# Altium PCB CRIB.PcbDoc (part 2 of 3)
Units mm, origin at the board's own origin, x right, y up, seen from the top; angles counter-clockwise.
Board outline 75 x 90 mm, 4 copper layers (L1 - Primary, L2 - GND, L3 - GND, L4 - Secondary), stack 1.57 mm thick; 249 components, 139 nets, 718 pads, 392 vias.
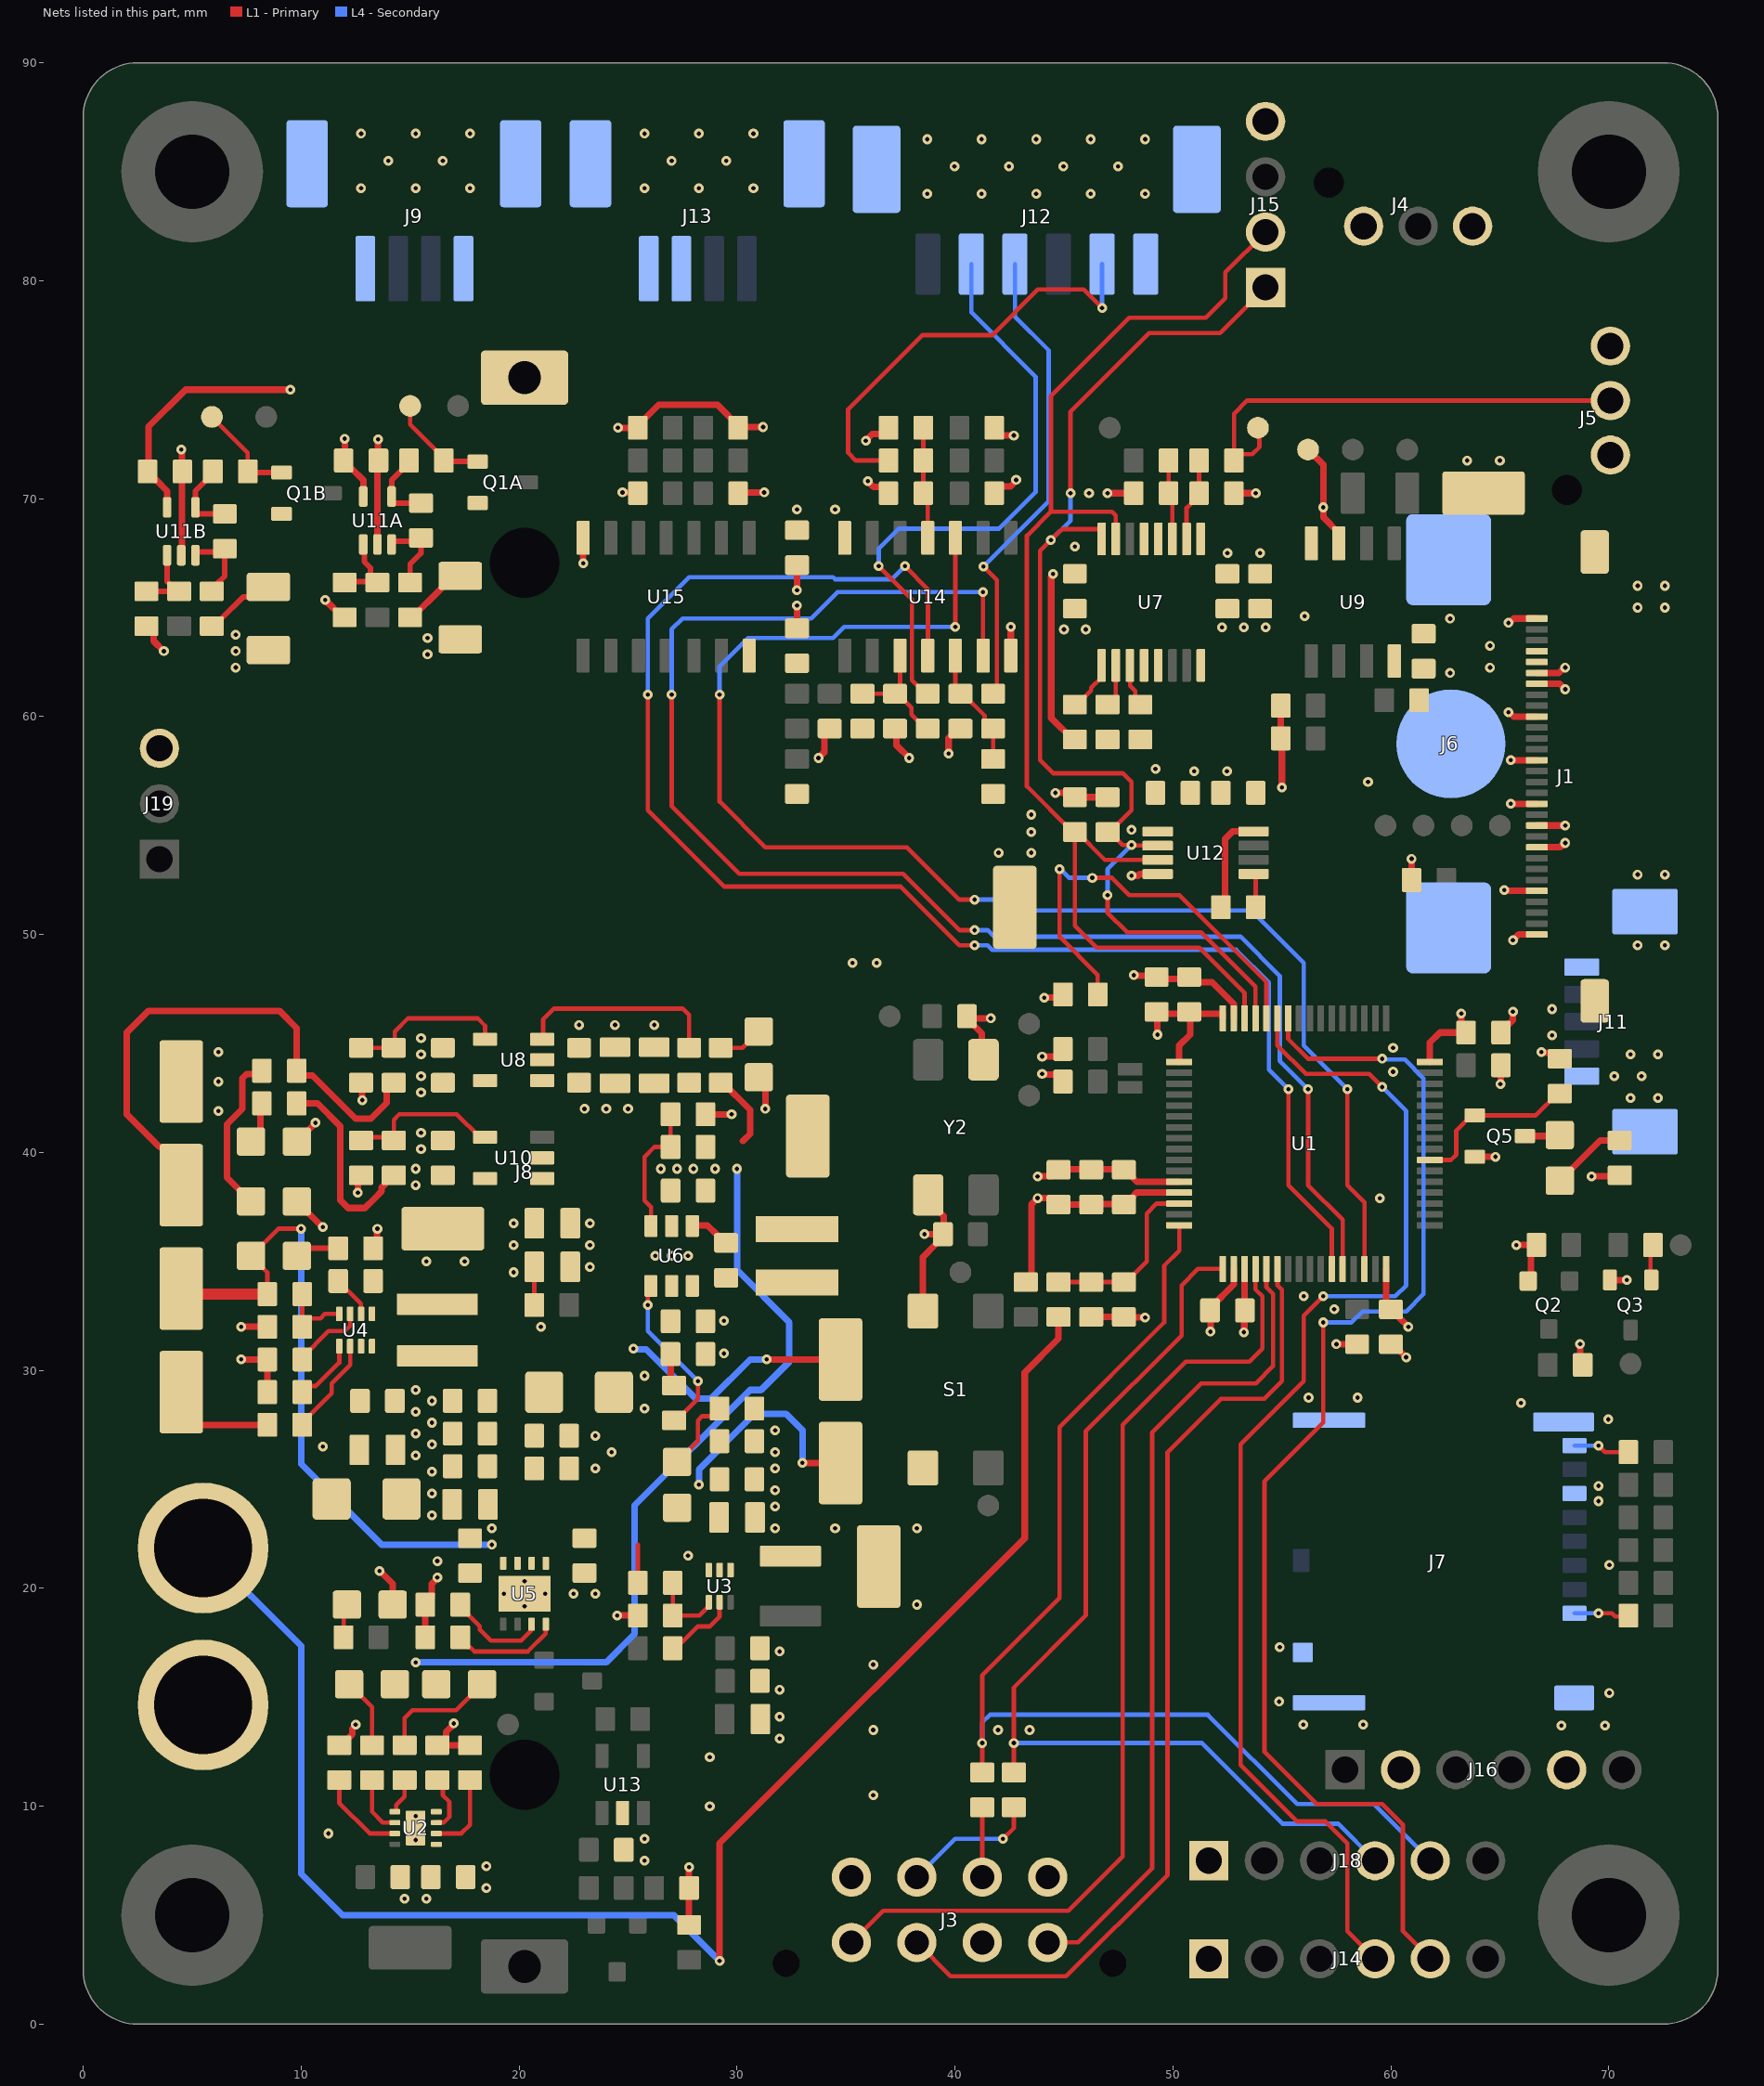
[diagram p4: the nets of this part, all layers, seen from the top]

## Part data (continued)
C15: "CAP CER 22UF 16V X5R 0805", Dielectric=X5R, Manufacturer 1="Murata Electronics", Manufacturer Part Number 1=GRM219R61C226ME15L, Package/Footprint=0805, Supplier Part Number 1=490-9952-1-ND, Voltage Rating=16V, Mounting Type=SMD, Supplier 1=Digi-Key
C16: "CAP CER 10UF 50V X5R 1206", Dielectric=X5R, Manufacturer 1=Murata, Manufacturer Part Number 1=GRT31CR61H106KE01L, Package=1206, Supplier Part Number 1=490-12456-1-ND, Voltage Rating=50V, Mounting Type=SMD, Supplier 1=Digi-Key
C17 C34 C39: "CAP CER 1UF 25V X7R 0805", Dielectric=X7R, Manufacturer 1=Murata, Manufacturer Part Number 1=GCM21BR71E105KA56L, Supplier Part Number 1=490-4785-1-ND, Voltage Rating=25V, Supplier 1=Digi-Key
C23: "CAP CER 100UF 10V X5R 1206", Dielectric=X5R, Manufacturer 1="Murata Electronics", Manufacturer Part Number 1=GRM31CR61A107MEA8L, Package/Footprint=1206, Supplier Part Number 1=490-GRM31CR61A107MEA8LCT-ND, Voltage Rating=10V, Mounting Type=SMD, Supplier 1=Digi-Key
C27: "CAP CER 22UF 10V X5R 0603", Manufacturer="Taiyo Yuden", Manufacturer Part Number=LMK107BBJ226MA-T, Package=0603, Supplier Part Number 1=587-4913-1-ND, Voltage Rating=10V, Supplier 1=Digi-Key
C41: "CAP CER 10UF 10V X5R 0603", Dielectric=X5R, Manufacturer 1=Yageo, Manufacturer Part Number 1=CC0603MRX5R6BB106, Supplier Part Number 1=311-1817-1-ND, Voltage Rating=10V, Supplier 1=Digi-Key
C50 C56A C56B: "CAP CER 0.01uF 100V X7R 0603", Dielectric=X7R, Manufacturer 1="Murata Electronics", Manufacturer Part Number 1=GCM188R72A103KA37J, Supplier Part Number 1=490-8028-1-ND, Voltage Rating=100V, Supplier 1=Digi-Key
C51 C52: "HVCAP0603 COG 6.2PF .25PF 250V", Dielectric="C0G, NP0", Manufacturer 1="Cal-Chip Electronics, Inc.", Manufacturer Part Number 1=CHV0603N2506R2CCT, Package=0603, Supplier Part Number 1=4713-CHV0603N2506R2CCT-ND, Voltage Rating=250V, Mounting Type=SMD, Supplier 1=Digi-Key
C53 C54: "CAP CER 10PF 50V X7R 0603", Manufacturer 1=KEMET, Manufacturer Part Number 1=C0603C100J5RAC7867, Package=0603, Supplier Part Number 1=399-C0603C100J5RAC7867CT-ND, Voltage Rating=50V, Supplier 1=Digi-Key
J1: "CONN FFC BOTTOM 30POS 0.5MM R/A", Current Rating=0.4A, Manufacturer 1=Molex, Manufacturer Part Number 1=046288030000846+, Package/Footprint=SMD, Supplier Part Number 1=478-046288030000846+CT-ND, Voltage Rating=50V, Mounting Type=SMD, Orientation="Right Angle", Pitch=0.5mm, Supplier 1=Digi-Key
J2: "XT60 CONNECTORS MALE/FEMALE PAIR", Manufacturer 1="SparkFun Electronics", Manufacturer Part Number 1=PRT-10474, Package/Footprint=XT60, Supplier Part Number 1=1568-1816-ND, Mounting Type=TH, Supplier 1=Digi-Key
J3: library part CON_MOLEX-HDR_4x2_TH, "CONN HEADER VERT 8POS 3MM", Current Rating=5A, Manufacturer 1=Molex, Supplier Part Number 1=WM10693-ND, Voltage Rating=250VAC, Family="Micro-Fit 3.0", Manufacturer Part Number 1=0430450828, Pitch=3mm, Supplier 1=Digi-Key
J4 J5: "CONN HEADER VERT 3POS 2.5MM", Current Rating=3A, Manufacturer 1="JST Sales America Inc.", Manufacturer Part Number 1=B3B-XH-A, Supplier Part Number 1=455-2248-ND, Voltage Rating=250VAC, Pitch=2.5mm, Supplier 1=Digi-Key
J6: "BATTERY RETAINER COIN 12MM SMD", Manufacturer 1="Adam Tech", Manufacturer Part Number 1=BH-122A-5, Supplier Part Number 1=2057-BH-122A-5-ND, Mounting Type=SMD, Supplier 1=Digi-Key
J7: "CONN MICRO SD CARD R/A SMD", Manufacturer 1=Molex, Manufacturer Part Number 1=5033981892, Package/Footprint=SMD, Supplier Part Number 1=WM11190CT-ND, Supplier 1=Digi-Key
J8: library part CON_2POS_18650, "BATTERY HOLDER 18650 PC PIN", Manufacturer 1="MPD (Memory Protection Devices)", Manufacturer Part Number 1=BK-18650-PC2, Supplier Part Number 1=BK-18650-PC2-ND, Mounting Type=TH, Supplier 1=Digi-Key
J9 J13: "CONN HEADER SMD RIGHT ANGLE 1.5 MM PITCH", Package/Footprint=SMD, Supplier Part Number 1=WM9449CT-ND, Family=CLIK-Mate, Mounting Type=SMD, Supplier 1=Digi-Key
J11: "CONN HEADER SMD R/A 5POS 1.25MM", Manufacturer 1=Molex, Manufacturer Part Number 1=0532610571, Supplier Part Number 1=WM7623CT-ND, Supplier 1=Digi-Key
J12: "CONN HEADER SMD RIGHT ANGLE 2MM PITCH", Current Rating=3A, Manufacturer 1=Molex, Manufacturer Part Number 1=502494-0670, Supplier Part Number 1=WM2283CT-ND, Voltage Rating=250V, Orientation="Right Angle", Pitch=2mm, Supplier 1=Digi-Key
J14 J16 J18: "CONN HEADER VERT 6POS 2.54MM", Manufacturer 1="Würth Elektronik", Manufacturer Part Number 1=61300611121, Supplier Part Number 1=732-5319-ND, Mounting Type=TH, Pitch=2.54mm, Supplier 1=Digi-Key
J15: "CONN HEADER VERT 4POS 2.54MM", Manufacturer 1="Würth Elektronik", Manufacturer Part Number 1=61300411121, Supplier Part Number 1=732-5317-ND, Mounting Type=TH, Pitch=2.54mm, Supplier 1=Digikey
J19: "CONN HEADER VERT 3POS 2.54MM", Manufacturer 1="Würth Elektronik", Manufacturer Part Number 1=61300311121, Supplier Part Number 1=732-5316-ND, Mounting Type=TH, Pitch=2.54mm, Supplier 1=Digi-Key
L1: "FIXED IND 2.2UH 5.4A 46MOHM SMD", Current Rating=5.4A, DC Resistance (DCR)=46mOhm, Inductance=2.2μH, Manufacturer 1="Vishay Dale", Manufacturer Part Number 1=IHLP1210BZEZ2R2M5A, Supplier Part Number 1=541-IHLP1210BZEZ2R2M5ACT-ND, Mounting Type=SMD, Supplier 1=Digi-Key
L2: "FIXED IND 8.2UH 2.8A 86 MOHM SMD", Current Rating=2.8A, Manufacturer 1="Würth Elektronik", Manufacturer Part Number 1=74438357082, Package/Footprint=SMD, Supplier Part Number 1=732-11205-1-ND, Mounting Type=SMD, Supplier 1=Digi-Key
L3: "POWER INDUCTOR 4040; 5.6 H; 5.1A", Current Rating=5.1A, DC Resistance (DCR)=44.4mOhm, Inductance=5.6μH, Inductance Tolerance=20%, Manufacturer 1="Würth Elektronik", Manufacturer Part Number 1=74439325056, Saturation Current=5.5A, Supplier Part Number 1=732-74439325056CT-ND, Mounting Type=SMD, Supplier 1=Digi-Key
LED1 LED2 LED3 LED4 LED5 LED6 LED7 LED8 LED9: "LED GREEN DIFFUSED 0805 SMD", Forward Voltage Drop=2.2V, Manufacturer 1=OSRAM, Manufacturer Part Number 1="LG R971-KN-1", Package/Footprint=0805, Supplier Part Number 1=475-1410-1-ND, Mounting Type=SMD, Supplier 1=Digi-Key
Q1A Q1B Q3: "MOSFET N-CH 20V 6A SOT-23", Manufacturer 1="Alpha & Omega", Manufacturer Part Number 1=AO3420, Supplier Part Number 1=785-1014-2-ND, Supplier 1=Digi-Key
Q2: "MOSFET P-CH 20V 3.6A SOT23-3", Manufacturer 1="Diodes Incorporated", Manufacturer Part Number 1=DMP2035U-7, Supplier Part Number 1=DMP2035U-7DICT-ND, Supplier 1=Digi-Key
Q4 Q6: "MOSFET P-CH 12V 6A SOT23F", Manufacturer 1="Toshiba Semiconductor and Storage", Manufacturer Part Number 1=SSM3J338R,LF, Supplier Part Number 1=SSM3J338RLFCT-ND, Supplier 1=Digi-Key
Q5: library part NMOS_20V_2.6A, "MOSFET N-CH 20V 2.6A SOT23-3", Manufacturer 1="Vishay Siliconix", Manufacturer Part Number 1=SI2302CDS-T1-E3, Package/Footprint=SOT-23-3, Supplier Part Number 1=SI2302CDS-T1-E3CT-ND, Supplier 1=Digi-Key
R1 R6 R9 R11 R12 R19 R22 R27 R30 R32 R33 R35 R36 R37 R42A R42B R49 R52 R53 R55 R57 R65: "RES 10K OHM 1% 1/8W 0603", Manufacturer 1="Stackpole Electronics Inc", Manufacturer Part Number 1=RNCP0603FTD10K0, Package=0603, Supplier Part Number 1=RNCP0603FTD10K0CT-ND, Mounting Type=SMD, Supplier 1=Digi-Key
R2 R4 R5 R46 R47 R54: "RES 604 OHM 1% 1/10W 0603", Manufacturer 1=Yageo, Manufacturer Part Number 1=RC0603FR-07604RL, Supplier Part Number 1=311-604HRCT-ND, Supplier 1=Digi-Key
R3 R41A R41B: "RES 100K OHM 1% 1/10W 0603", Manufacturer 1=Yageo, Manufacturer Part Number 1=RC0603FR-07100KL, Supplier Part Number 1=311-100KHRCT-ND, Supplier 1=Digi-Key
R8: "RES 73.2K OHM 1% 1/16W 0603", Manufacturer 1="TE Connectivity Passive Product", Manufacturer Part Number 1=CPF0603F73K2C1, Supplier Part Number 1=A102314CT-ND, Supplier 1=Digi-Key
R10: "RES 57.6K OHM 1% 1/10W 0603", Manufacturer 1=YAGEO, Manufacturer Part Number 1=RC0603FR-0757K6L, Package/Footprint=0603, Supplier Part Number 1=311-57.6KHRCT-ND, Supplier 1=Digi-Key
R13: "RES SMD 20.5K OHM 1% 1/10W 0603", Manufacturer 1="Panasonic Electronic Components", Manufacturer Part Number 1=ERJ-3EKF2052V, Supplier Part Number 1=P2.05KHCT-ND, Supplier 1=Digikey
R14 R15 R21 R48: "RES 1.2K OHM 1% 1/10W 0603", Manufacturer 1=Yageo, Manufacturer Part Number 1=RC0603FR-071K2L, Package=0603, Supplier Part Number 1=311-1.20KHRCT-ND, Supplier 1=Digi-Key
R16 R17 R25 R26: "RES 0 OHM JUMPER 1/10W 0603", Manufacturer 1=Yageo, Manufacturer Part Number 1=RC0603JR-070RL, Package=0603, Supplier Part Number 1=311-0.0GRCT-ND, Mounting Type=SMD, Supplier 1=Digi-Key
R18: "RES 249 OHM 1% 1/10W 0603", Manufacturer 1=YAGEO, Manufacturer Part Number 1=RC0603FR-07249RL, Supplier Part Number 1=311-249HRCT-ND, Supplier 1=Digi-Key
R23 R24 R34 R50 R51: "RES 5.1K OHM 1% 1/10W 0603", Manufacturer 1=YAGEO, Manufacturer Part Number 1=RC0603FR-135K1L, Package=0603, Supplier Part Number 1=13-RC0603FR-135K1LCT-ND, Mounting Type=SMD, Supplier 1=Digi-Key
R28 R29 R43A R43B: "RES 100 OHM 1% 1/10W 0603", Manufacturer 1=Yageo, Manufacturer Part Number 1=RC0603FR-07100RL, Supplier Part Number 1=311-100HRCT-ND, Supplier 1=Digi-Key
R31: "RES 80.6K OHM 1% 1/10W 0603", Manufacturer 1="Stackpole Electronics Inc", Manufacturer Part Number 1=RMCF0603FT80K6, Supplier Part Number 1=RMCF0603FT80K6CT-ND, Supplier 1=Digi-Key
R38: "RES 49.9K OHM 1% 1/10W 0603", Manufacturer 1="KOA Speer Electronics, Inc.", Manufacturer Part Number 1=RK73H1JTTD4992F, Supplier Part Number 1=2019-RK73H1JTTD4992FCT-ND, Mounting Type=SMD, Supplier 1=Digi-Key
R39: "RES 71.5K OHM 1% 1/10W 0603", Manufacturer 1="Stackpole Electronics Inc", Manufacturer Part Number 1=RMCF0603FT71K5, Package/Footprint=0603, Supplier Part Number 1=RMCF0603FT71K5CT-ND, Mounting Type=SMD, Supplier 1=Digi-Key
R40: "RES 24.9K OHM 1% 1/10W 0603", Manufacturer 1=YAGEO, Manufacturer Part Number 1=RC0603FR-0724K9L, Supplier Part Number 1=311-24.9KHRCT-ND, Supplier 1=Digi-Key
R44A R44B R56 R58A R58B R58C R58D R58E R58F R58G R59: "RES 1K OHM 1% 1/8W 0603", Manufacturer 1="Stackpole Electronics Inc", Manufacturer Part Number 1=RNCP0603FTD1K00, Package=0603, Supplier Part Number 1=RNCP0603FTD1K00CT-ND, Mounting Type=SMD, Supplier 1=Digi-Key
R45A R45B: "RES 1.5 OHM 1% 1/4W 1206", Manufacturer 1="Stackpole Electronics Inc", Manufacturer Part Number 1=RMCF1206FT1R50, Package=1206, Power=1/4W, Supplier Part Number 1=RMCF1206FT1R50CT-ND, Tolerance=1%, Mounting Type=SMD, Supplier 1=Digi-Key
R60: "RES SMD 5.6M OHM 1% 1/10W 0603", Manufacturer 1="Vishay Dale", Manufacturer Part Number 1=CRCW06035M60FKEA, Package=0603, Supplier Part Number 1=541-5.60MHCT-ND, Tolerance=1%, Supplier 1=Digi-Key
R61: "RES SMD 1.05M OHM 1% 1/10W 0603", Manufacturer 1="Stackpole Electronics Inc", Manufacturer Part Number 1=RMCF0603FT1M05, Package=0603, Supplier Part Number 1=RMCF0603FT1M05CT-ND, Mounting Type=SMD, Supplier 1=Digi-Key
R62A R62B R62C R62D R62E R62F R62G R66 R67 R68 R69 R70: "RES 47K OHM 1% 1/10W 0603", Manufacturer 1=YAGEO, Manufacturer Part Number 1=RC0603FR-0747KL, Package=0603, Supplier Part Number 1=311-4.70KHRCT-ND, Mounting Type=SMD, Supplier 1=DigiKey
R63: "RES 22.1K OHM 1% 1/10W 0603", Manufacturer 1="Stackpole Electronics Inc", Manufacturer Part Number 1=RMCF0603FT22K1, Supplier Part Number 1=RMCF0603FT22K1CT-ND, Supplier 1=Digi-Key
R64: "RES 69.8K OHM 1% 1/10W 0603", Manufacturer 1=YAGEO, Manufacturer Part Number 1=RC0603FR-0769K8L, Package/Footprint=0603, Supplier Part Number 1=311-69.8KHRCT-ND, Mounting Type=SMD, Supplier 1=Digi-Key
S1: "SWITCH TACTILE SPST-NO 50MA 12V", Manufacturer 1=E-Switch, Manufacturer Part Number 1=TL3305AF260QG, Supplier Part Number 1=EG5353CT-ND, Mounting Type=SMD, Supplier 1=Digi-Key
TP1 TP2 TP3 TP4 TP5 TP6 TP7 TP8 TP24 TP25 TP26 TP27: "PC TEST POINT MINIATURE", Manufacturer 1="Keystone Electronics", Manufacturer Part Number 1=5019, Package/Footprint=SMD, Supplier Part Number 1=36-5019CT-ND, Mounting Type=SMD, Supplier 1=Digi-Key
TP9 TP10 TP11 TP12 TP13 TP14 TP15 TP16 TP17 TP18 TP19 TP20 TP21 TP22A TP22B TP23A TP23B TP30 TP31 TP32 TP33: "TESTPOINT 1MM CIRCLE"
U1: "IC MCU 32BIT 1MB FLASH 64LQFP", Manufacturer 1=STMicroelectronics, Package/Footprint=64-LQFP, Supplier Part Number 1=497-11767-ND, Manufacturer Part Number 1=STM32F405RGT6, Supplier 1=Digi-Key
U2: "IC BATTERY MANAGEMENT", Manufacturer 1="Texas Instruments", Package/Footprint=8-WFDFN, Supplier Part Number 1=296-BQ25170JDSGRCT-ND, Manufacturer Part Number 1=BQ25170JDSGR, Supplier 1=Digi-Key
U3: "IC REG BOOST ADJ 3A SOT563", Manufacturer 1="Texas Instruments", Package/Footprint=SOT-563, Supplier Part Number 1=296-TPS61023DRLRCT-ND, Manufacturer Part Number 1=TPS61023DRLR, Supplier 1=Digikey
U4: "IC REG BUCK ADJ 3A SOT583", Manufacturer 1="Texas Instruments", Package/Footprint=SOT-583, Supplier Part Number 1=296-TPS62933DRLRCT-ND, Manufacturer Part Number 1=TPS62933DRLR, Supplier 1=Digikey
U5: "IC OR CTRLR SRC SELECT 8SON", Manufacturer 1="Texas Instruments", Package/Footprint=8-VDFN, Supplier Part Number 1=296-23394-1-ND, Manufacturer Part Number 1=TPS2115ADRBR, Supplier 1=Digikey
U6: "IC REG BUCK ADJ 1A SOT23-6", Manufacturer 1="Texas Instruments", Package/Footprint=SOT-23-6, Supplier Part Number 1=296-LMR54410DBVRCT-ND, Manufacturer Part Number 1=LMR54410DBVR, Supplier 1=Digikey
U7: "IC ADC 16BIT SIGMA-DELTA 16TSSOP", Manufacturer 1="Texas Instruments", Supplier Part Number 1=296-50874-1-ND, Manufacturer Part Number 1=ADS1119IPWR, Supplier 1=Digikey
U8 U10: "IC REG LIN POS ADJ 500MA SOT23-5", Input Voltage (Max)=6V, Manufacturer 1="Texas Instruments", Operating Temperature="-40°C - 125°C", Output Current=500mA, Package/Footprint=SOT-25, Supplier Part Number 1=296-TLV75801PDBVRCT-ND, Manufacturer Part Number 1=TLV75801PDBVR, Supplier 1=Digi-Key
U9: "IC RTC CLK/CALENDAR I2C 8SOIC", Manufacturer 1="Texas Instruments", Package/Footprint=8-SOIC, Supplier Part Number 1=296-24583-1-ND, Manufacturer Part Number 1=BQ32000DR, Supplier 1=Digi-Key
U11A U11B: "IC OPAMP GP 1 CIRCUIT SC70-5", Manufacturer 1="Texas Instruments", Operating Temperature="-40°C - 125°C", Package/Footprint=5-TSSOP, Supplier Part Number 1=296-35916-1-ND, Manufacturer Part Number 1=OPA376AIDCKR, Supplier 1=Digi-Key
U12: "IC XLTR VL BIDIR 8-VSSOP", Manufacturer 1="Texas Instruments", Package/Footprint=8-TSSOP, Supplier Part Number 1=296-39220-1-ND, Manufacturer Part Number 1=TCA9517ADGKR, Supplier 1=Digikey
U13: "IC COMPARATOR 1 VOL REF SOT23-5", Manufacturer 1="Texas Instruments", Supplier Part Number 1=296-TLV4051R5DBVRCT-ND, Manufacturer Part Number 1=TLV4051R5DBVR, Supplier 1=Digi-Key
U14 U15: "IC INVERT SCHMITT 6CH 1IN 14SOIC", Manufacturer 1="Texas Instruments", Package/Footprint=14-SOIC, Supplier Part Number 1=296-1194-1-ND, Manufacturer Part Number 1=SN74HC14DR, Supplier 1=Digikey
Y1: "CRYSTAL 32.7680KHZ 9PF SMD", Frequency=32.768kHz, Manufacturer 1="ECS Inc.", Manufacturer Part Number 1=ECS-.327-9-1210-TR, Supplier Part Number 1=XC2283CT-ND, Supplier 1=Digi-Key
Y2: "WE-XTAL QUARTZ CRYSTAL 8.0 MHZ;", Frequency=8MHz, Load Capacitance=10pF, Manufacturer 1="Kyocera AVX", Manufacturer Part Number 1=830059082, Package/Footprint=SMD, Supplier Part Number 1=1923-830059082CT-ND, Mounting Type=SMD, Supplier 1=Digikey
Y3: "CRYSTAL 32.7680KHZ 12.5PF SMD", Frequency=32.768kHz, Manufacturer 1="Abracon LLC", Manufacturer Part Number 1=ABS07-32.768KHZ-T, Supplier Part Number 1=535-9542-1-ND, Supplier 1=Digi-Key

## Via types
v1: diameter 0.45, hole 0.2, L1 - Primary to L4 - Secondary, tented both sides, 360 vias
v2: diameter 0.6, hole 0.3, L1 - Primary to L4 - Secondary, tented both sides, 32 vias

## Nets (pads, with @x,y where several pads share a name; then routed paths per layer and width w, separated by ;. In a path a pad name is that pad's centre, name@x,y a point inside that pad or via, vN(x,y) a via of type N, cw(c..) or ccw(c..) an arc to the next point about the centre after c; other vN are vias at no path point)
3V0_COIN: J6.1 TP12.1 U9.3 | length 4.9
  L1 - Primary w0.3: TP12.1@56.2,72.249 56.9,71.549 v1(56.9,69.6) 56.9,69.14 57.615,68.425 U9.3@57.615,67.95
3V3: C27.2 C28.2 C43.2 C44.2 C45.2 C46.2 C47.2 C48.2 C49.2 C50.2 C55A.2 C55B.2 C57.2 C61.2 C62.2 J11.1 L3.2 LED1.1 LED2.1 Q2.2 R23.2 R24.2 R25.1 R26.1 R27.1 R33.2 R46.2 R49.2 R52.1 R54.2 R62A.2 R62B.2 R62C.2 R62D.2 R62E.2 R62F.2 R62G.2 R63.2 TP3.1 U1.1 U1.13 U1.19 U1.32 U1.48 U1.64 U7.13 U11A.5 U11B.5 U12.1 U14.14 U15.14 | length 106.6
  L1 - Primary w0.3: C55B.2@2.95,71.15 3.25,70.85 3.35,70.85 3.85,70.35 U11B.5@3.85,69.6 ; C55B.2@2.95,71.25 3,71.3 3,73.3 4.7,75 v1(9.5,75) ; C55A.2@11.95,71.65 12.25,71.35 12.35,71.35 12.85,70.85 U11A.5@12.85,70.1 ; C55A.2@11.95,71.75 12,71.8 v1(12,72.75) ; v1(24.535,73.25) R62D.2@25.45,73.25 ; R62D.2@25.45,73.35 26.4,74.3 29.1,74.3 30.05,73.35 R62G.2@30.05,73.25 30.084,73.284 v1(31.195,73.284) ; R46.2@29.25,43.2 29.35,43.2 30.6,41.95 30.6,40.85 30.268,40.518 ; v1(35.907,72.66) 36.207,72.96 36.657,72.96 36.957,73.26 R62A.2@36.957,73.36 ; R62E.2@41.8,73.25 41.8,73.209 42.1,72.909 42.691,72.909 v1(42.7,72.9) ; R52.1@43.25,34.05 43.5,34.3 43.5,37.616 v1(43.788,37.904) 44.45,37.904 C48.2@44.75,37.604 C49.2@46.25,37.604 ; v1(44.5,66.55) 44.5,66.509 44.415,66.424 44.415,59.935 45.4,58.95 R25.1@45.5,58.95 ; v1(44.6,56.5) 45.3,56.5 R24.2@45.5,56.3 R23.2@47,56.3 ; C49.2@46.25,37.629 47.513,37.629 C50.2@47.538,37.654 ; C50.2@47.75,37.604 47.85,37.604 48.15,37.904 48.15,37.978 48.326,38.154 U1.13@50.288,38.154 ; v1(49.288,45.404) 49.288,46.354 C43.2@50.788,46.354 ; U1.1@50.288,44.154 50.288,44.904 50.788,45.404 C43.2@50.788,46.354 ; U1.64@52.288,46.154 52.288,46.354 C43.2@50.788,46.354 ; v1(53.25,31.75) 53.275,31.775 53.275,32.841 53.338,32.904 53.288,32.955 U1.19@53.288,34.654 ; C46.2@59.788,32.762 U1.32@59.788,34.654 ; C46.2@60,32.8 60.1,32.8 60.4,32.5 60.4,32.4 v1(60.8,32) ; R33.2@60.95,52.5 v1(60.95,53.475) ; U1.48@61.788,44.154 61.788,45.038 62.25,45.5 C45.2@63.45,45.5 63.229,45.721 v1(63.229,46.371) ; v1(65.75,35.75) 66.65,35.75 66.656,35.744 66.431,35.518 66.431,34.269 Q2.2@66.256,34.094 ; v1(69.2,38.9) 70.45,38.9 R54.2@70.5,38.95